# Altium PCB MCU025B.PcbDoc (part 3 of 3)
Units mm, origin at the board's own origin, x right, y up, seen from the top; angles counter-clockwise.
Board outline 60.42 x 146.24 mm, 6 copper layers (Top Signal, ISO GND, Middle Signal, PWR, SYS GND, Bottom Signal), stack 1.566 mm thick; 203 components, 176 nets, 822 pads, 366 vias.
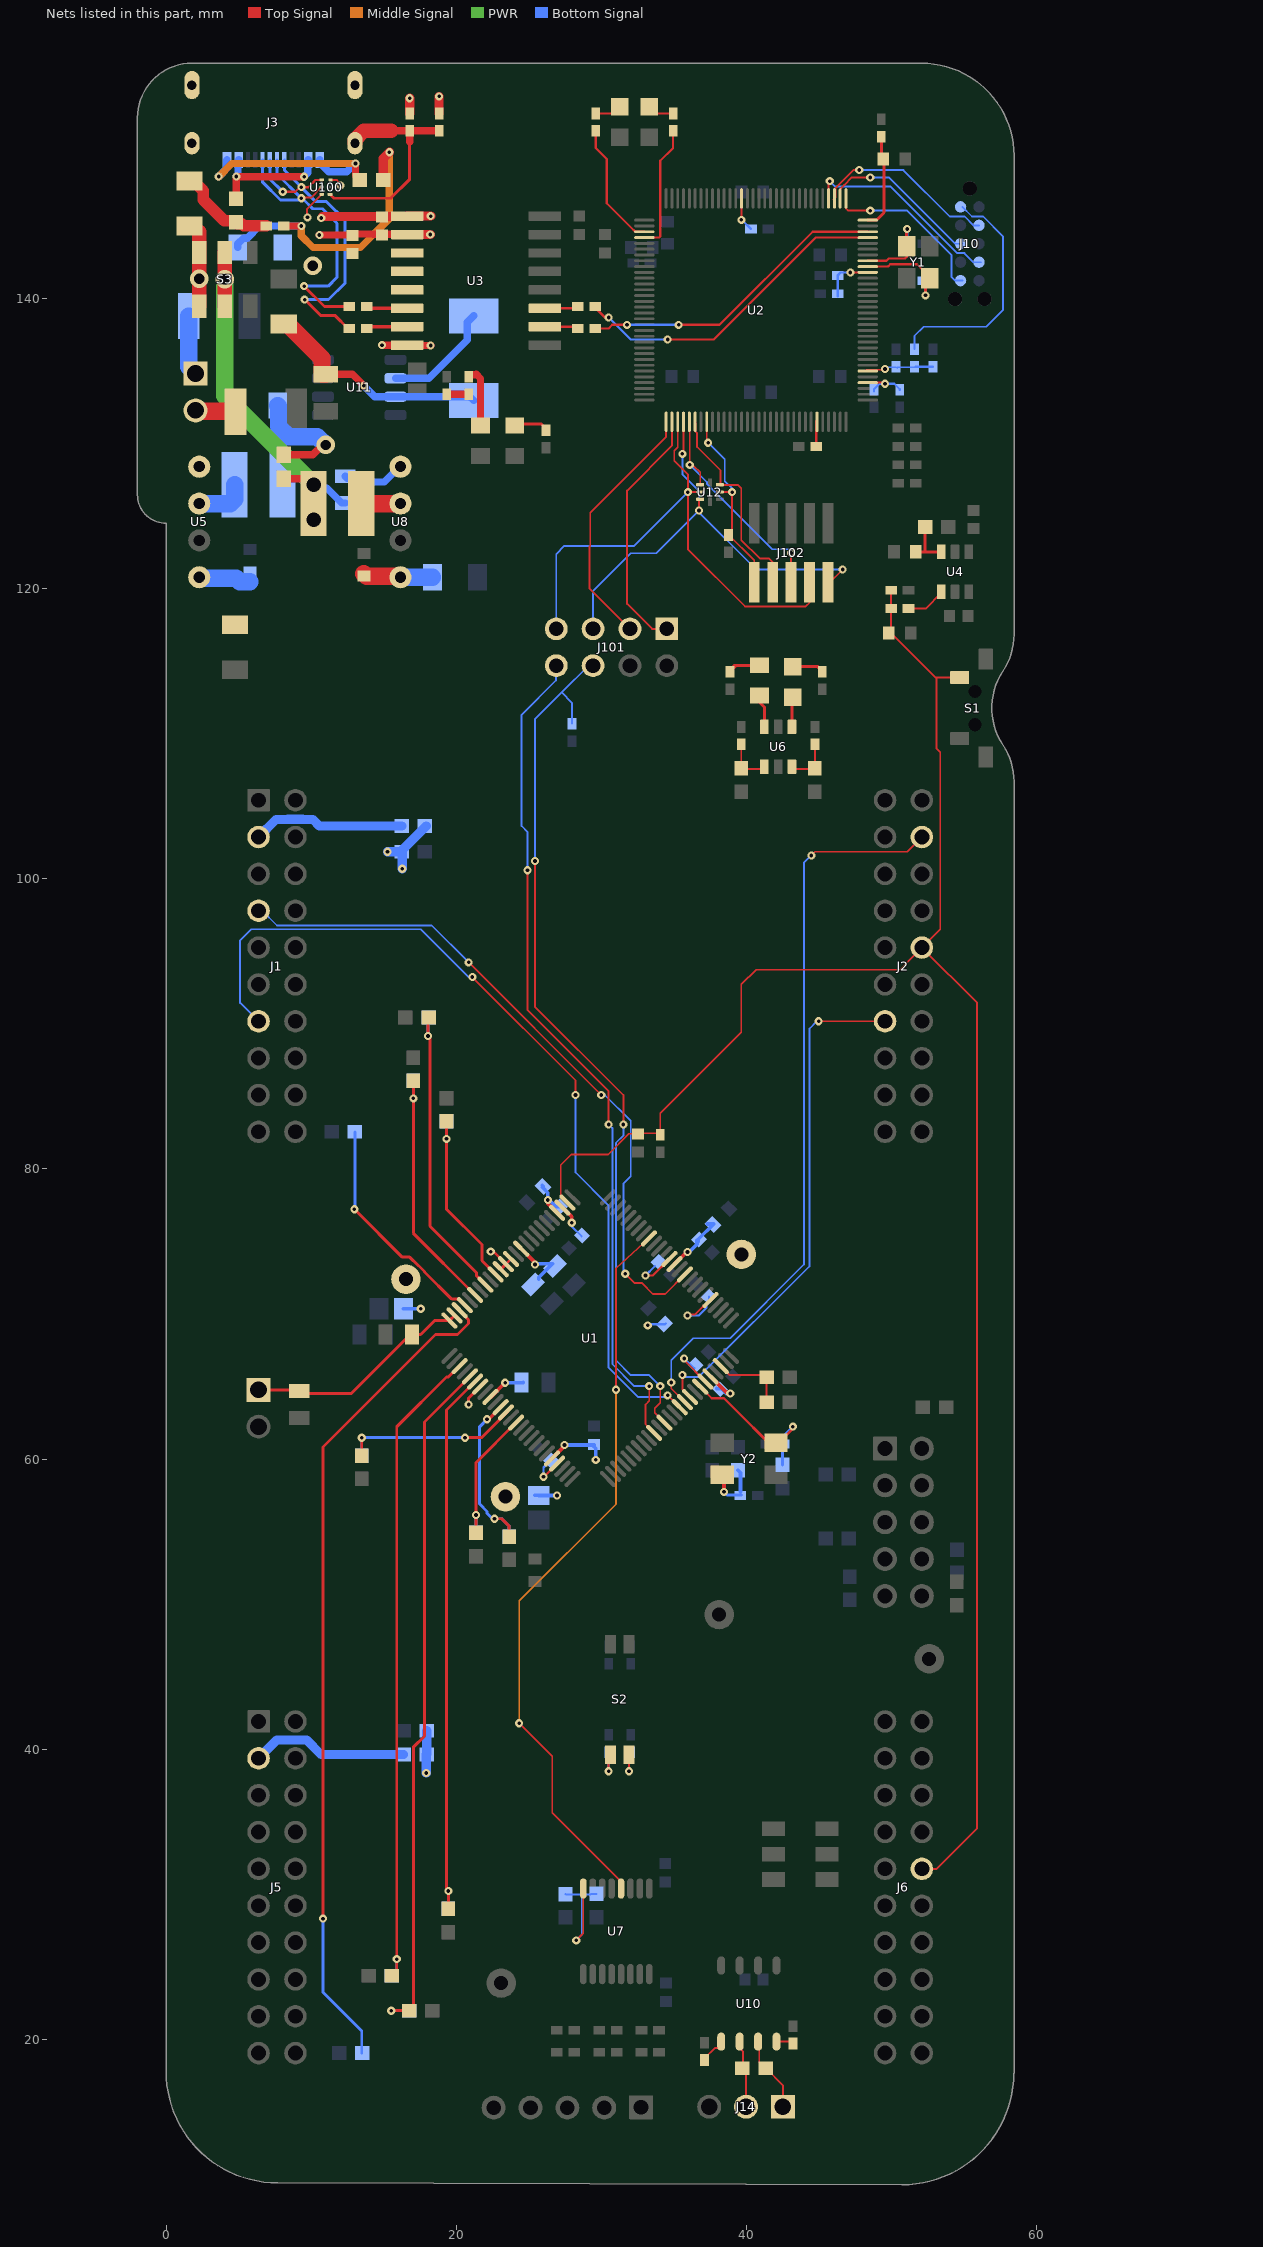
[diagram p7: the nets of this part, all layers, seen from the top]

## Via types
v1: diameter 0.559, hole 0.254, Top Signal to Bottom Signal, tented both sides, 335 vias
v2: diameter 0.559, hole 0.254, Top Signal to Bottom Signal, 17 vias
v3: diameter 1.27, hole 0.711, Top Signal to Bottom Signal, 11 vias
v4: diameter 1.651, hole 1.016, Top Signal to Bottom Signal, 3 vias

## Nets (pads, with @x,y where several pads share a name; then routed paths per layer and width w, separated by ;. In a path a pad name is that pad's centre, name@x,y a point inside that pad or via, vN(x,y) a via of type N, cw(c..) or ccw(c..) an arc to the next point about the centre after c; other vN are vias at no path point) (continued)
GPIO40: J1.4 U1.85 | length 47.8
  Top Signal w0.127: v1(20.828,94.234) v1(29.972,85.09) ; v1@31.623,72.881 v1(31.623,72.771) 32.258,72.136 32.766,72.136 33.528,71.374 34.379,71.374 U1.85@35.733,72.728
  Bottom Signal w0.127: J1.4@6.35,97.79 6.604,97.79 7.62,96.774 18.288,96.774 v1(20.828,94.234) ; v1(29.972,85.09) 30.226,85.09 32.004,83.312 32.004,79.479 31.496,78.971 31.496,72.898 v1(31.623,72.771)
GPIO56: J1.7 U1.65 | length 60.8
  Top Signal w0.127: v1(21.082,93.218) 28.194,86.106 v1(28.194,85.09) ; v1(34.544,64.389) 34.62,64.389 34.646,64.364 34.654,64.372 34.688,64.372 34.688,64.262 U1.65@35.38,63.571
  Bottom Signal w0.127: J1.7@6.35,90.17 5.08,91.44 5.08,95.758 5.842,96.52 17.526,96.52 20.828,93.218 v1(21.082,93.218) ; v1(28.194,85.09) 28.194,79.756 30.48,77.47 30.48,66.294 32.512,64.262 34.417,64.262 v1(34.544,64.389)
GPIO57: J2.19 U1.66 | length 51.7
  Top Signal w0.127: v1(34.798,65.278) 34.798,64.859 U1.66@35.733,63.924 ; v1(44.45,101.6) 44.704,101.854 51.054,101.854 J2.19@52.07,102.87
  Bottom Signal w0.127: v1(34.798,65.278) 34.798,66.802 36.322,68.326 38.862,68.326 43.942,73.406 43.942,101.092 v1(44.45,101.6)
GPIO58: J2.34 U1.67 | length 35.5
  Top Signal w0.127: v1(35.56,65.786) 35.56,64.804 U1.67@36.087,64.278 ; v1(44.958,90.17) J2.34@49.53,90.17
  Bottom Signal w0.127: v1(35.56,65.786) 35.687,65.659 36.703,65.659 44.323,73.279 44.323,89.662 44.831,90.17 v1(44.958,90.17)
GPIO59: U1.92 U7.4 | length 51.5
  Top Signal w0.127: v1(24.313,41.783) 26.589,39.507 26.589,35.613 31.333,30.869 U7.4@31.333,30.394 ; v1(30.988,64.77) 30.988,73.152 U1.92@33.258,75.203
  Middle Signal w0.127: v1(24.313,41.783) 24.313,50.221 30.988,56.896 v1(30.988,64.77)
ITCK: J10.4 U2.100 | length 14
  Top Signal w0.127: U2.100@45.64,146.892 45.64,148.002 v1(45.72,148.082)
  Bottom Signal w0.127: v1(45.72,148.082) 46.101,147.701 49.911,147.701 54.483,143.129 54.991,143.129 55.003,143.117 55.626,142.494 J10.4@56.007,142.494 J10.4@56.134,142.494
ITDI: J10.8 U2.98 | length 11.3
  Top Signal w0.127: U2.98@46.44,146.892 46.44,147.532 46.524,147.616 46.524,147.623 46.709,147.808 46.716,147.808 47.244,148.336 v1(48.514,148.336)
  Bottom Signal w0.127: v1(48.514,148.336) 49.784,148.336 54.356,143.764 J10.8@54.737,143.764 J10.8@54.864,143.764
ITDO: J10.6 U2.97 | length 11.7
  Top Signal w0.127: U2.97@46.84,146.892 46.84,146.2 46.99,146.05 v1(48.514,146.05)
  Bottom Signal w0.127: v1(48.514,146.05) 51.054,146.05 54.102,143.002 54.102,141.478 54.356,141.224 J10.6@54.737,141.224 J10.6@54.864,141.224
ITMS: J10.2 U2.99 | length 12.8
  Top Signal w0.127: U2.99@45.974,146.812 46.124,146.962 46.124,147.623 46.309,147.808 46.314,147.808 47.35,148.844 v1(47.752,148.844)
  Bottom Signal w0.127: v1(47.752,148.844) 50.8,148.844 54,145.644 55.016,145.644 55.626,145.034 J10.2@56.007,145.034
NetC3_1: C3.1 F4.1 U8.4 | length 4.8
  Top Signal w1.2: C3.1@13.605,121.029 13.795,120.839 16.067,120.839 U8.4@16.129,120.777
  Bottom Signal w1.2: U8.4@16.129,120.777 F4.1@18.338,120.777
NetC4_1: C4.1 F3.1 U5.4 | length 3.6
  Bottom Signal w1.2: U5.4@2.261,120.777 2.323,120.715 4.803,120.715 5.061,120.458 5.761,120.458
NetC8_2: C8.2 R6.1 U4.6 | length 3.4
  Top Signal w0.203: C8.2@51.652,122.533 U4.6@53.406,122.533 ; 52.286,122.581 R6.1@52.286,124.25
NetC26_2: C26.2 R14.1 U1.18 | length 21.3
  Top Signal w0.203: R14.1@18.034,90.424 v1(18.034,89.154) 18.161,89.027 18.161,76.048 21.372,72.837 21.372,72.629 U1.18@21.98,72.021
  Bottom Signal w0.203: v1(18.034,89.154) C26.2@18.034,90.424
NetC27_2: C27.2 R16.1 U1.30 | length 47.9
  Top Signal w0.203: v1(15.494,21.971) R16.1@16.688,21.971 ; R16.1@16.726,21.971 R16.1@16.726,22.009 ; R16.1@16.764,21.971 17.018,22.225 17.018,40.132 17.78,40.894 17.78,62.553 U1.30@20.919,65.692
  Bottom Signal w0.203: v1(15.494,21.971) C27.2@16.726,21.971 C27.2@16.764,21.971
NetC28_2: C28.2 R17.1 U1.20 | length 17.8
  Top Signal w0.203: R17.1@17.018,86.106 R17.1@17.018,86.068 v1(17.018,84.861) 17.018,75.568 U1.20@21.273,71.314
  Bottom Signal w0.203: v1(17.018,84.861) C28.2@17.018,86.068 C28.2@17.018,86.106
NetC29_2: C29.2 R18.1 U1.31 | length 38.5
  Top Signal w0.203: R18.1@19.431,28.956 R18.1@19.431,28.994 v1(19.431,30.226) 19.304,30.353 19.304,63.37 U1.31@21.273,65.338
  Bottom Signal w0.203: C29.2@19.431,28.994 v1(19.431,30.226)
NetC30_2: C30.2 R20.1 U1.16 | length 13.2
  Top Signal w0.203: R20.1@19.304,83.312 R20.1@19.304,83.274 v1(19.304,82.067) 19.304,77.216 21.742,74.778 21.742,73.672 U1.16@22.687,72.728
  Bottom Signal w0.203: v1(19.304,82.067) C30.2@19.304,83.274
NetC31_2: C31.2 R21.1 U1.28 | length 45.4
  Top Signal w0.203: R21.1@15.494,24.384 15.875,24.765 v1(15.875,25.527) 15.875,62.23 19.304,65.659 19.431,65.659 20.171,66.399 U1.28@20.212,66.399
  Bottom Signal w0.203: C31.2@15.532,24.384 15.494,24.422 15.875,24.803 v1(15.875,25.527)
NetC32_1: C32.1 R19.2 U1.36 | length 12.8
  Top Signal w0.203: v1(22.098,62.738) 22.208,62.738 U1.36@23.04,63.571 ; v1(22.606,55.88) 23.114,55.88 23.622,55.372 R19.2@23.622,54.648 R19.2@23.622,54.61
  Bottom Signal w0.203: v1(22.098,62.738) 21.59,62.23 21.59,56.896 22.098,56.388 22.098,56.261 22.479,55.88 v1(22.606,55.88) 23.114,55.88 23.622,55.372 C32.1@23.622,54.648
NetC33_1: C33.1 R22.2 U1.37 | length 13.5
  Top Signal w0.203: v1(13.462,61.468) 13.462,60.49 13.716,60.236 R22.2@13.716,60.198 ; v1(20.574,61.468) 21.717,61.468 U1.37@23.495,63.246
  Bottom Signal w0.203: C33.1@13.716,60.236 13.462,60.49 v1(13.462,61.468) v1(20.574,61.468)
NetC34_1: C34.1 R25.2 U1.39 | length 10
  Top Signal w0.203: R25.2@21.336,54.864 R25.2@21.336,54.902 v1(21.336,56.134) 21.336,59.745 U1.39@24.101,62.51
  Bottom Signal w0.203: C34.1@21.336,54.902 v1(21.336,56.134)
NetC35_1: C35.1 C36.1 J15.1 U1.24 U1.25 | length 15.8
  Top Signal w0.203: J15.1@6.35,64.77 8.89,64.77 9.144,64.516 12.738,64.516 16.802,68.58 17.526,68.58 18.492,69.546 U1.25@19.505,69.546 ; U1.25@19.558,69.596 19.858,69.896 U1.24@19.859,69.899
NetC38_1: C38.1 R31.1 Y2.1 | length 4.1
  Top Signal w0.254: Y2.1@38.313,58.918 38.43,58.801 v1(38.43,57.734)
  Bottom Signal w0.203: v1(38.43,57.734) 38.633,57.531 C38.1@39.624,57.531
  Bottom Signal w0.254: R31.1@39.401,59.218 39.563,59.056 C38.1@39.563,57.734
NetC50_2: C50.2 R62.2 U2.96 | length 6.6
  Top Signal w0.203: U2.96@48.34,145.392 48.937,145.392 49.45,145.905 49.45,149.571 C50.2@49.415,149.606 49.276,149.745 R62.2@49.276,151.15
NetC59_1: C59.1 C60.1 C61.1 U2.87 U2.115 | length 6
  Top Signal w0.152: v1(39.624,145.415) 39.64,145.431 U2.115@39.64,146.892 ; v1(47.142,141.783) 47.295,141.783 47.304,141.792 U2.87@48.34,141.792
  Bottom Signal w0.152: v1(39.624,145.415) 39.659,145.415 C61.1@40.294,144.78 ; C59.1@46.253,141.58 46.457,141.783 46.888,141.783 v1(47.142,141.783) ; C60.1@46.269,140.148 C60.1@46.269,140.31 46.269,141.545 C59.1@46.304,141.58
NetC62_1: C62.1 U2.89 Y1.3 | length 5.8
  Top Signal w0.152: U2.89@48.34,142.592 49.628,142.592 49.784,142.748 50.902,142.748 51.029,142.875 51.003,142.9 Y1.3@51.003,143.586
  Top Signal w0.203: Y1.3@51.016,143.594 51.016,144.742 v1(51.054,144.78)
  Bottom Signal w0.203: C62.1@50.962,143.764 51.054,143.856 v1(51.054,144.78)
NetC63_1: C63.1 U2.88 Y1.1 | length 7.2
  Top Signal w0.152: U2.88@48.34,142.192 49.73,142.192 49.886,142.347 51.734,142.347 52.654,141.427 Y1.1@52.654,141.376
  Top Signal w0.203: v1(52.324,140.208) 52.324,141.102 Y1.1@52.616,141.394
  Bottom Signal w0.203: C63.1@52.162,141.224 52.162,140.954 52.324,140.792 v1(52.324,140.208)
NetC65_2: C65.2 F7.1 L4.2 U11.3 | length 15.9
  Top Signal w0.508: C65.2@10.973,134.774 12.818,134.774 12.999,134.593 v1(13.605,133.987)
  Top Signal w1.2: F7.1@8.089,138.242 8.339,138.242 10.72,135.861 10.72,134.797 10.742,134.774 C65.2@10.973,134.774
  Bottom Signal w0.508: v1(13.605,133.987) 14.369,133.223 U11.3@15.786,133.223 20.913,133.223 L4.2@21.18,132.956
NetC66_1: C66.1 R70.1 U2.68 | length 3.5
  Top Signal w0.152: U2.68@48.34,134.192 49.45,134.192 v1(49.53,134.112)
  Bottom Signal w0.152: R70.1@48.768,133.604 48.768,133.731 49.149,134.112 v1(49.53,134.112) 50.165,134.112 50.546,133.731 C66.1@50.546,133.696
NetC100_1: C100.1 F1.1 L101.2 | length 7
  Top Signal w0.8: F1.1@1.595,148.092 1.845,148.092 2.53,147.407 2.53,146.799 3.979,145.35 4.718,145.35 4.793,145.275 4.793,145.225 4.868,145.15 5.179,145.15 5.337,144.992 C100.1@6.889,144.992
NetC100_2: C100.2 F2.2 L100.2 | length 20.9
  Top Signal w0.508: C100.2@8.089,144.992 v2(9.296,144.992)
  Top Signal w0.635: L100.2@14.937,148.163 14.937,149.638 v1(15.367,150.068)
  Middle Signal w0.508: v2@9.296,144.978 9.296,144.317 10.104,143.51 13.377,143.51 15.367,145.5 v1(15.367,150.068)
  Bottom Signal w0.508: F2.2@4.915,143.51 4.915,143.76 5.311,144.156 5.561,144.156 6.397,144.992 v2(9.296,144.992)
NetC101_1: C101.1 J3.SH1 J3.SH2 J3.SH3 J3.SH4 R100.2 U100.1 | length 15.8
  Top Signal w0.203: U100.1@11.278,147.163 11.35,147.163 11.351,147.161 11.351,147.09 11.541,146.9 15.452,146.9 16.764,148.211 16.764,150.8
  Top Signal w0.508: 15.489,151.546 C101.1@16.764,151.546 16.764,150.8 ; C101.1@16.774,151.436 16.884,151.546 R100.2@18.796,151.546
  Top Signal w1.016: J3.SH2@12.995,150.7 12.995,150.941 13.6,151.546 15.489,151.546
NetC106_1: C106.1 U3.3 U3.4 U3.5
NetF5_1: F5.1 J4.1 | length 4.2
  Bottom Signal w1.2: F5.1@1.532,138.786 1.532,135.295 J4.1@2.009,134.819
NetF6_1: F6.1 J4.2 | length 2.8
  Top Signal w1.2: J4.2@2.009,132.279 2.055,132.233 4.708,132.233 F6.1@4.754,132.186
NetJ3_A1_B12: J3.A1_B12 J3.B1_A12 L100.1 | length 15.7
  Top Signal w0.508: v2(13.025,149.3) 13.035,149.29 13.035,148.466 13.091,148.409 13.091,148.384 13.312,148.163 L100.1@13.337,148.163
  Middle Signal w0.508: v2(3.597,148.394) 4.503,149.3 v2(13.025,149.3)
  Bottom Signal w0.508: v2(3.597,148.394) 4.164,148.96 4.164,149.539 J3.A1_B12@4.175,149.55 ; J3.B1_A12@10.575,149.55 10.575,149.3 10.621,149.254 10.661,149.254 11.192,148.724 12.44,148.724 13.016,149.3 v2(13.025,149.3)
NetJ3_A4_B9: J3.A4_B9 J3.B4_A9 L101.1 | length 8.7
  Top Signal w0.508: L101.1@4.793,146.85 4.806,146.863 4.806,148.384 v2(4.815,148.394) 9.465,148.394 9.475,148.384 v2(9.489,148.384)
  Bottom Signal w0.508: v2(4.815,148.394) 4.815,148.408 4.929,148.521 4.929,149.504 J3.A4_B9@4.975,149.55 ; v2(9.489,148.384) 9.489,148.398 9.729,148.638 9.729,149.504 J3.B4_A9@9.775,149.55
NetJ10_10: J10.10 R66.1 | length 16.5
  Bottom Signal w0.127: R66.1@51.562,136.49 51.562,137.414 52.197,138.049 56.515,138.049 57.658,139.192 57.658,144.272 56.286,145.644 55.524,145.644 J10.10@54.864,146.304
NetJ14_1: J14.1 R55.2 U10.7 | length 5.2
  Top Signal w0.127: U10.7@40.78,19.838 40.78,19.374 40.863,19.29 40.863,18.411 41.275,18 41.325,18 42.49,16.835 J14.1@42.49,15.35
NetJ14_2: J14.2 R55.1 U10.6 | length 4.7
  Top Signal w0.127: U10.6@39.51,19.838 39.51,19.374 39.751,19.133 39.751,18.051 R55.1@39.7,18 39.95,17.75 J14.2@39.95,15.35
NetL1_2: L1.2 U5.2 | length 3.6
  Bottom Signal w1.2: U5.2@2.261,125.857 4.4,125.857 4.7,126.157 L1.2@4.7,127.149
NetL4_1: L4.1 U11.2 | length 7.9
  Bottom Signal w0.508: U11.2@15.786,134.493 18.095,134.493 20.729,137.127 20.729,138.347 L4.1@21.18,138.798
NetL5_2: L5.2 U8.2 | length 2.7
  Top Signal w1.2: L5.2@13.427,125.857 U8.2@16.129,125.857
NetLED1_2: LED1.2 R3.1 | length 2.5
  Top Signal w0.203: LED1.2@24.003,131.223 24.132,131.352 25.812,131.352 26.162,131.002 R3.1@26.162,130.902
NetLED2_1: LED2.1 R63.1 | length 1.8
  Top Signal w0.152: R63.1@29.591,152.746 30.826,152.746 LED2.1@31.242,153.162
NetLED3_1: LED3.1 R64.1 | length 1.8
  Top Signal w0.152: LED3.1@33.274,153.162 33.69,152.746 R64.1@34.925,152.746
NetLED4_1: LED4.1 U6.6 | length 2.4
  Top Signal w0.127: U6.6@41.148,110.363 U6.6@41.148,110.468
  Top Signal w0.203: LED4.1@40.894,112.649 40.894,112.141 41.214,111.821 U6.6@41.214,110.468
NetLED4_2: LED4.2 R29.1 | length 4.4
  Top Signal w0.203: R29.1@38.846,114.261 39.266,114.681 LED4.2@40.894,114.681 ; R29.1@38.862,114.427 39.146,114.711 LED4.2@40.878,114.711
NetLED5_1: LED5.1 R30.1 | length 2.2
  Top Signal w0.203: LED5.1@43.18,114.613 44.899,114.613 R30.1@45.212,114.3
NetLED5_2: LED5.2 U6.4 | length 2.1
  Top Signal w0.203: U6.4@43.114,110.468 43.114,112.456 LED5.2@43.18,112.522
NetLED6_2: LED6.2 R8.1 | length 4.3
  Top Signal w0.508: R8.1@20.828,134.587 20.828,134.687 20.874,134.733 21.312,134.733 21.352,134.774 21.65,134.476 LED6.2@21.65,131.223
NetR1_1: R1.1 U3.11 | length 3.1
  Top Signal w0.152: U3.11@26.086,139.319 R1.1@28.321,139.319 ; R1.1@28.321,139.319 R1.1@28.448,139.446 ; R1.1@28.321,139.319 R1.1@28.448,139.446 ; R1.1@28.321,139.319 R1.1@28.448,139.446 ; R1.1@28.321,139.319 R1.1@28.448,139.446 ; R1.1@28.321,139.319 R1.1@28.448,139.446
NetR2_1: R2.1 U3.10 | length 3.1
  Top Signal w0.152: U3.10@26.086,138.049 R2.1@28.321,138.049 ; R2.1@28.321,138.049 R2.1@28.448,137.922 ; R2.1@28.321,138.049 R2.1@28.448,137.922 ; R2.1@28.321,138.049 R2.1@28.448,137.922 ; R2.1@28.321,138.049 R2.1@28.448,137.922 ; R2.1@28.321,138.049 R2.1@28.448,137.922
NetR5_1: R5.1 U4.1 | length 2.9
  Top Signal w0.127: R5.1@51.054,118.618 R5.1@51.146,118.618 52.324,118.618 53.406,119.7 U4.1@53.406,119.783
NetR7_1: R7.1 R8.2 | length 1.5
  Top Signal w0.508: R7.1@19.317,133.387 R8.2@20.828,133.387
NetR13_2: R13.2 U1.23 | length 57.8
  Top Signal w0.203: v1(10.795,28.321) 10.795,60.833 18.542,68.58 20.066,68.58 20.828,69.342 20.828,69.596 U1.23@20.066,70.358
  Bottom Signal w0.203: v1(10.795,28.321) 10.795,23.241 13.462,20.574 R13.2@13.462,19.05
NetR15_2: R15.2 U1.22 | length 15.6
  Top Signal w0.203: v1(12.954,77.216) 16.256,73.914 16.764,73.914 17.018,73.66 17.036,73.66 17.78,72.916 17.78,72.898 19.626,71.052 19.638,71.063 19.656,71.063 19.675,71.044 20.117,71.044 20.452,70.708 U1.22@20.478,70.708
  Bottom Signal w0.203: v1(12.954,77.216) 12.992,77.254 R15.2@12.992,82.55
NetR23_1: R23.1 R26.2 U1.13 U1.14 U1.15 | length 7
  Top Signal w0.203: v1(22.352,74.295) 22.534,74.295 U1.14@23.394,73.435 ; U1.15@23.04,73.081 23.043,73.081 U1.13@23.749,73.787
  Bottom Signal w0.203: R26.2@16.174,101.809 R26.2@16.256,101.727 ; R26.2@16.218,101.854 R26.2@16.218,101.943
  Bottom Signal w0.635: v1(15.24,101.854) R26.2@16.218,101.854 ; R26.2@16.218,101.943 R23.1@17.907,103.632 ; v1(16.256,100.686) R26.2@16.256,101.727
NetR24_1: R24.1 R27.2 U1.32 | length 4.5
  Top Signal w0.203: v1(20.828,63.754) 20.828,64.187 U1.32@21.626,64.985
  Bottom Signal w0.254: R24.1@17.907,39.624 R24.1@17.945,39.662
  Bottom Signal w0.635: v1(17.907,38.354) R24.1@17.907,39.624 ; R24.1@17.945,39.662 R27.2@17.945,41.275
NetR36_1: R36.1 R38.2 U6.1 | length 3.2
  Top Signal w0.127: R36.1@39.624,109.255 R38.2@39.624,107.607 39.624,107.569 U6.1@41.148,107.569
NetR37_1: R37.1 R39.2 U6.3 | length 3.5
  Top Signal w0.127: U6.3@43.18,107.569 R39.2@44.958,107.569 ; R39.2@44.704,107.569 44.704,107.607 R37.1@44.704,109.255
NetR40_2: R40.2 S2.3 | length 2.7
  Top Signal w0.127: v1(30.48,38.481) 30.48,39.116 30.734,39.37 S2.3@30.48,39.624
  Bottom Signal w0.127: v1(30.48,38.481) R40.2@30.48,39.786
NetR41_2: R41.2 S2.4 | length 2.4
  Top Signal w0.127: v1(31.877,38.481) 31.877,39.497 S2.4@32.004,39.624
  Bottom Signal w0.127: v1(31.877,38.481) 31.877,39.497 R41.2@32.004,39.624
NetR42_2: R42.2 R43.2 U7.8 | length 9.3
  Top Signal w0.127: v1(28.245,26.822) 28.733,27.311 U7.8@28.733,30.394
  Bottom Signal w0.127: R42.2@27.5,30.01 27.526,29.984 28.626,29.984 ; v1(28.245,26.822) 28.626,27.203 28.626,29.984 ; R43.2@29.636,30.022 29.268,30.022 29.23,29.984 28.626,29.984
NetR54_1: R54.1 U10.5 | length 1.8
  Top Signal w0.127: R54.1@37.084,18.677 37.814,19.407 38.045,19.407 38.24,19.603 U10.5@38.24,19.838
NetR56_2: R56.2 U10.8 | length 1.2
  Top Signal w0.127: U10.8@42.05,19.838 43.059,19.838 R56.2@43.188,19.709
NetR63_2: R63.2 U2.3 | length 8.6
  Top Signal w0.152: R63.2@29.718,151.384 29.591,151.257 29.591,150.368 30.353,149.606 30.353,146.547 32.212,144.689 32.23,144.689 32.327,144.592 U2.3@32.94,144.592
NetR64_2: R64.2 U2.4 | length 8.9
  Top Signal w0.152: U2.4@32.94,144.192 33.956,144.192 34.036,144.272 34.036,149.479 34.925,150.368 34.925,151.511 R64.2@34.798,151.638
NetR65_1: R65.1 R66.2 R67.2 U2.70 | length 4.5
  Top Signal w0.127: U2.70@48.26,135.076 49.478,135.076 v1(49.53,135.128)
  Bottom Signal w0.127: v1(49.53,135.128) 49.657,135.255 R65.1@50.292,135.255 ; R65.1@50.373,135.209 50.419,135.255 R66.2@51.562,135.255
  Bottom Signal w0.152: R66.2@51.654,135.29 R67.2@52.832,135.29
NetR68_2: R68.2 U2.59 | length 1.8
  Top Signal w0.152: R68.2@44.796,129.794 U2.59@44.796,131.545
NetR103_2: R103.2 U3.6 | length 2.7
  Top Signal w0.254: R103.2@13.935,139.319 U3.6@16.586,139.319
NetR104_2: R104.2 U3.7 | length 2.7
  Top Signal w0.254: R104.2@13.935,138.049 U3.7@16.586,138.049
PGA135_GND: J1.2 R23.2 | length 10.6
  Bottom Signal w0.635: J1.2@6.35,102.87 7.569,104.089 8.385,104.089 9.395,104.089 10.084,104.089 10.541,103.632 R23.2@16.218,103.632
PGA246_GND: J5.2 R24.2 | length 11
  Bottom Signal w0.254: R24.2@16.345,39.624 R24.2@16.383,39.624
  Bottom Signal w0.635: J5.2@6.35,39.37 7.62,40.64 9.652,40.64 10.668,39.624 R24.2@16.345,39.624
"PW 5V": C5.1 C68.1 L1.1 L5.1 S3.2 S3.5 | length 27.7
  Top Signal w0.508: C68.1@8.089,127.57 9.739,127.57 v4(10.16,127.149)
  Top Signal w1: S3.2@4.011,139.464 v3(4.011,141.314) S3.5@4.011,143.164
  PWR w1.2: v3(4.011,141.314) 4.011,133.298 v4(10.16,127.149) v4(10.16,124.739)
  Bottom Signal w0.508: v4(10.16,127.149) 10.379,126.93 11.058,126.93 12.094,125.894 C5.1@12.319,125.894
TCK: J101.8 U1.60 | length 58.5
  Top Signal w0.127: v1(24.892,100.584) 24.892,90.932 30.48,85.344 v1(30.48,83.058) ; v1(33.274,65.024) 33.274,64.008 33.02,63.754 33.02,62.395 U1.60@33.612,61.803
  Bottom Signal w0.127: v1(24.892,100.584) 24.892,103.215 24.476,103.631 24.476,111.292 26.849,113.666 26.849,114.661 J101.8@26.869,114.681 ; v1(30.48,83.058) 30.734,82.804 30.734,66.548 32.258,65.024 v1(33.274,65.024)
TMS: J101.6 R10.1 U1.62 | length 61.5
  Top Signal w0.127: v1@25.4,101.092 25.4,91.186 31.496,85.09 v1(31.496,83.058) ; 33.655,63.473 33.655,63.174 U1.62@34.319,62.51 ; 33.655,63.5 34.036,63.881 v1(34.036,65.024)
  Bottom Signal w0.127: v1(25.4,101.219) 25.4,110.989 27.246,112.835 ; R10.1@27.95,110.675 27.95,112.131 27.246,112.835 ; J101.6@29.409,114.681 29.092,114.681 27.246,112.835 ; v1(31.496,83.058) 31.496,82.296 30.988,81.788 30.988,66.802 32.004,65.786 33.274,65.786 v1(34.036,65.024)
USB_DM: J3.A7 J3.B7 R103.1 U100.5 | length 22.6
  Top Signal w0.127: v2(9.295,146.9) 9.34,146.945 9.985,146.945 10.617,147.576 10.617,147.626 10.653,147.663 U100.5@10.703,147.663
  Top Signal w0.203: v1(9.489,140.843) 10.886,139.446 R103.1@12.573,139.446
  Bottom Signal w0.203: J3.B7@6.625,149.55 6.636,149.539 6.636,148.005 7.865,146.775 v2@9.295,146.775 ; J3.A7@7.625,149.55 7.625,148.57 v2(9.295,146.9) ; v1(9.489,140.843) 11.145,140.843 11.756,141.454 11.756,145.172 10.751,146.177 10.087,146.177 v2@9.489,146.775
USB_DP: J3.A6 J3.B6 R104.1 U100.4 | length 23.4
  Top Signal w0.15: v2(8.014,147.345) 8.883,147.345 9.2,147.663 9.771,147.663 10.271,148.163 U100.4@10.703,148.163
  Top Signal w0.203: v1(9.527,139.915) 10.611,138.831 11.599,138.831 12.508,137.922 R104.1@12.608,137.922
  Bottom Signal w0.203: J3.A6@7.125,149.55 7.125,148.234 v2(8.014,147.345) ; J3.B6@8.125,149.55 8.13,149.545 8.13,148.83 10.293,146.667 11.035,146.667 12.319,145.383 12.319,141.068 11.166,139.915 v1(9.527,139.915)
  other v2: 9.296,147.663
USB_GND: C5.2 C68.2 C101.2 C105.2 C106.2 F2.1 F8.1 R100.1 U3.2 U3.8 U5.1 U8.1 U100.3 | length 27
  Top Signal w0.127: U100.3@11.303,148.163 11.726,148.163 11.816,148.073 11.816,147.96 v2(11.989,147.788)
  Top Signal w0.508: C68.2@8.089,129.224 10.095,129.224 10.767,129.896 v3(10.973,129.896) ; v2(10.541,144.364) 12.954,144.364 12.954,144.388 13,144.434 14.224,144.434 14.242,144.417 16.568,144.417 U3.2@16.586,144.399 ; v1(14.859,136.779) U3.8@16.586,136.779 16.611,136.754 v1(18.212,136.754)
  Top Signal w0.635: U3.2@16.586,144.399 v1(18.186,144.399) ; C101.2@16.764,152.746 v1(16.764,153.797) ; R100.1@18.796,152.746 v1(18.796,153.924)
  Bottom Signal w0.508: C5.2@12.319,127.744 12.463,127.6 13.781,127.6 14.035,127.346 15.025,127.346 16.076,128.397 U8.1@16.129,128.397
  Bottom Signal w1.2: F8.1@7.671,132.613 7.721,132.563 7.721,131.166 8.424,130.463 10.406,130.463 v3(10.973,129.896)
  other v3: 10.087,142.24
USB_VBUS: C105.1 F1.2 S3.1 S3.4 U3.1 U100.6 | length 15.6
  Top Signal w0.127: v1(9.723,145.583) 9.681,145.625 9.681,146.141 10.617,147.077 10.617,147.127 10.653,147.163 U100.6@10.703,147.163
  Top Signal w0.508: v1(10.668,145.542) 10.68,145.542 v1@10.772,145.634
  Top Signal w0.635: v1@10.772,145.634 16.551,145.634 U3.1@16.586,145.669 v1(18.212,145.669)
  Top Signal w1: F1.2@1.595,144.992 1.845,144.992 2.261,144.577 v3(2.261,141.342) S3.1@2.261,139.464
VDD: C9.2 C10.2 C11.2 C12.2 C13.2 C14.2 TP1.1 U1.4 U1.46 U1.71 U1.87 | length 15.1
  Top Signal w0.254: v1(26.289,77.851) 26.289,77.611 U1.4@26.93,76.97 ; U1.46@26.576,60.035 v1@27.501,60.96 ; U1.87@35.026,73.435 35.861,74.27 v1(35.916,74.27) ; U1.71@37.501,65.692 38.677,64.516 v1(38.862,64.516)
  Bottom Signal w0.254: C10.2@25.908,78.74 C10.2@25.966,78.682 ; C10.2@25.908,78.867 C10.2@25.971,78.803 ; C10.2@25.966,78.798 C10.2@25.966,78.682 ; C14.2@27.113,77.405 26.829,77.406 26.442,77.793 26.347,77.793 v1(26.289,77.851) 26.289,78.359 C10.2@25.966,78.682 ; v1(27.432,60.96) C13.2@29.464,60.96 ; C13.2@29.464,60.868 29.591,60.741 v1(29.591,59.944) ; v1(35.916,74.27) 36.043,74.27 36.576,74.803 C11.2@36.576,75.057 ; C11.2@36.66,74.973 36.66,75.141 37.719,76.2 C9.2@37.287,76.2 ; C12.2@37.93,64.854 38.27,64.854 38.608,64.516 v1(38.862,64.516)
VDDA: C16.1 C17.1 C18.1 L2.2 TP3.1 U1.11 U1.34 | length 8.1
  Top Signal w0.254: U1.34@22.333,64.278 22.368,64.278 v1(23.343,65.253) ; U1.11@24.455,74.496 25.4,73.55 v1(25.4,73.406) ; v1(23.343,65.253) 23.322,65.273 v1(23.343,65.253)
  Bottom Signal w0.254: L2.2@16.344,70.358 v1(17.526,70.358) ; v1(23.343,65.253) 24.575,65.253 24.595,65.273 C16.1@24.6,65.278 ; v1@25.342,73.464 26.612,73.464 25.654,72.505 C18.1@25.654,72.39
VDDIO: C20.1 C21.1 C22.1 C23.1 C24.1 C25.1 L3.2 TP2.1 U1.3 U1.47 U1.70 U1.80 U1.88 | length 18.3
  Top Signal w0.152: v1(25.984,58.776) 26.024,58.776 U1.47@26.93,59.682 ; v1(33.02,72.644) 33.528,72.644 U1.88@34.672,73.788 ; v1(35.687,66.929) 35.687,66.802 36.449,66.04 ; v1(35.916,69.896) 35.971,69.952 36.424,69.952 36.997,70.525 37.066,70.525 U1.80@37.501,70.96 ; 36.447,66.038 U1.70@37.147,65.338
  Top Signal w0.254: U1.3@27.432,77.216 27.94,76.708 v1(27.94,76.287)
  Bottom Signal w0.152: v1(25.984,58.776) 25.984,59.411 C22.1@26.34,59.766 ; v1@27.94,76.327 v1(27.94,76.287) 27.94,76.033 C21.1@28.618,75.354 ; v1(33.02,72.644) C24.1@33.655,73.279 ; v1(33.172,69.215) v1@33.198,69.215 ; v1@33.198,69.24 33.242,69.284 C20.1@34.348,69.284 ; C20.1@34.354,69.279 C20.1@34.417,69.342 ; v1(35.687,66.929) 36.365,66.251 C23.1@36.406,66.251 ; v1(35.916,69.896) 36.699,69.896 37.228,70.426 37.228,70.616 37.4,70.789 C25.1@37.4,71.185
  Bottom Signal w0.254: L3.2@25.4,57.492 L3.2@25.679,57.492 ; L3.2@25.679,57.48 v1(26.924,57.48)
VREGENZ: R11.1 R12.1 U1.73 | length 5.2
  Top Signal w0.127: U1.73@38.208,66.399 38.821,65.786 41.148,65.786 R11.1@41.364,65.57 ; R12.1@41.351,63.932 41.364,63.945 R11.1@41.364,65.57 ; R11.1@41.364,65.634 R11.1@41.364,65.57
X1: C39.1 R35.1 U1.69 Y2.3 | length 11.4
  Top Signal w0.152: U1.69@36.794,64.985 37.592,64.187 38.429,64.187 40.468,62.148
  Top Signal w0.203: 40.468,62.148 41.498,61.118 Y2.3@41.928,61.118 ; Y2.3@42.013,61.118 42.188,61.118 43.112,62.043 43.112,62.162 v1(43.18,62.23)
  Bottom Signal w0.203: R35.1@42.467,59.592 42.467,60.96 C39.1@42.541,61.034 42.541,61.591 v1(43.18,62.23)
XDS_DM: R1.2 U2.93 | length 22.9
  Top Signal w0.152: v1(30.48,138.684) 30.226,138.684 R1.2@29.464,139.446 ; v1(34.544,137.16) 37.719,137.16 44.751,144.192 U2.93@48.34,144.192 ; R1.2@29.464,139.446 29.51,139.4 R1.2@29.464,139.446
  Bottom Signal w0.152: v1(30.48,138.684) 32.004,137.16 v1(34.544,137.16)
XDS_DP: R2.2 U2.94 | length 21.6
  Top Signal w0.152: R2.2@29.464,137.922 R2.2@29.556,137.922 30.48,137.922 30.734,138.176 v1(31.75,138.176) ; v1(35.306,138.176) 38.125,138.176 44.541,144.592 U2.94@48.34,144.592
  Bottom Signal w0.152: v1(31.75,138.176) v1(35.306,138.176)
XDS_RESET_OUT: J102.10 R57.1 U2.40 U12.2 | length 13.4
  Top Signal w0.127: U2.40@37.24,131.492 37.24,130.146 v1(37.338,130.048) ; U12.2@38.14,126.645 v1(38.989,126.645) 38.989,123.978 38.735,123.724 40.513,121.946 J102.10@40.513,120.803 ; J102.10@40.478,120.768 J102.10@40.513,120.803 ; J102.10@40.513,120.549 J102.10@40.513,120.803
  Bottom Signal w0.127: v1(37.338,130.048) 38.481,128.905 38.481,127.407 38.989,126.899 v1(38.989,126.645)
XDS_RXD: J101.3 U2.33 | length 17.6
  Top Signal w0.127: J101.3@31.949,117.221 29.155,120.015 29.155,122.907 29.21,122.962 29.21,125.222 34.44,130.452 U2.33@34.44,131.492
XDS_TCK_SWDCLK: J101.7 J102.4 U2.35 U12.6 | length 37.8
  Top Signal w0.127: U2.35@35.24,131.492 35.24,129.728 35.001,129.489 35.001,128.803 35.941,127.864 v1(35.941,126.645) ; U12.6@36.957,126.645 U12.6@36.79,126.645 v1(35.941,126.645) ; J102.4@44.323,120.422 J102.4@44.323,120.419 44.323,119.025 44.069,118.771 39.878,118.771 35.941,122.708 v1(35.941,126.645)
  Bottom Signal w0.127: J101.7@26.869,117.221 26.869,122.373 27.432,122.936 32.232,122.936 v1(35.941,126.645)
XDS_TDI: J102.8 U2.38 U12.3 | length 14.5
  Top Signal w0.127: U2.38@36.475,131.419 36.475,130.81 36.576,130.709 36.576,129.756 38.189,128.143 38.189,127.194 U12.3@38.14,127.145 39.378,127.145 39.624,126.899 39.624,123.343 40.894,122.073 41.529,122.073 41.783,121.819 J102.8@41.783,120.419 J102.8@41.783,120.295
XDS_TDO_SWO: J102.6 U2.37 U12.5 | length 16.5
  Top Signal w0.127: U2.37@36.068,131.572 v1(36.068,128.524) 36.151,128.441 36.35,128.441 36.79,128.002 U12.5@36.79,127.145 ; J102.6@43.053,120.422 v1(43.053,122.454)
  Bottom Signal w0.127: v1(36.068,128.524) 37.249,127.343 37.249,127.216 41.758,122.708 42.926,122.708 43.053,122.581 v1(43.053,122.454)
XDS_TMS_SWDIO: J101.5 J102.2 U2.36 U12.7 | length 32.7
  Top Signal w0.127: v1(35.56,129.286) 35.64,129.366 U2.36@35.64,131.492 ; v1(36.703,125.375) U12.7@36.703,126.137 ; U12.7@36.79,126.137 U12.7@36.79,126.145 ; J102.2@45.593,120.295 v1(46.609,121.311)
  Bottom Signal w0.127: J101.5@29.409,117.221 29.409,119.836 32.001,122.428 33.756,122.428 v1(36.703,125.375) ; v1(35.56,129.286) 35.56,127.88 36.703,126.737 v1(36.703,125.375) ; v1(46.609,121.311) 40.64,121.311 36.703,125.248 v1(36.703,125.375)
XDS_TXD: J101.1 U2.34 | length 17.3
  Top Signal w0.127: J101.1@34.489,117.221 33.473,117.221 31.75,118.944 31.75,126.746 34.84,129.836 U2.34@34.84,131.492
XRSn: C7.2 C37.1 J2.16 J6.16 R4.1 R5.2 R32.1 S1.4 U1.2 | length 132.1
  Top Signal w0.127: U1.2@27.637,77.677 27.178,78.136 27.178,80.264 27.902,80.988 30.442,80.988 31.869,82.415 C37.1@32.512,82.415 32.547,82.45 R32.1@34.036,82.45 ; R32.1@34.036,82.35 R32.1@34.036,82.45 ; C7.2@49.796,116.932 49.946,117.082 R5.2@49.946,118.618 ; C7.2@49.946,116.932 53.018,113.86 S1.4@54.672,113.86 ; R5.2@49.946,118.71 R4.1@49.946,119.888 ; J6.16@52.07,31.75 53.086,31.75 55.88,34.544 55.88,91.44 J2.16@52.07,95.25 ; 53.086,113.792 53.086,108.966 53.34,108.712 53.34,96.52 J2.16@52.07,95.25 ; R32.1@34.036,82.45 34.036,83.82 39.624,89.408 39.624,92.71 40.64,93.726 50.546,93.726 J2.16@52.07,95.25
pads on no net: J1.5 J1.9 J1.10 J2.11 J2.17 J2.18 J3.A5 J3.A8 J3.B5 J3.B8 J5.3 J5.4 J5.9 J5.10 J6.17 J6.18 J10.7 J10.MH1 J10.MH2 J10.MH3 J11.9 J102.7 M1.0 M2.0 M3.0 M4.0 M5.0 M6.0 M9.0 S1. U1.43 U1.48 U1.49 U2.1 U2.2 U2.5 U2.6 U2.11 U2.12 U2.13 U2.14 U2.15 U2.18 U2.19 U2.20 U2.21 U2.22 U2.23 U2.24 U2.25 U2.27 U2.29 U2.30 U2.31 U2.32 U2.41 U2.42 U2.43 U2.44 U2.45 U2.46 U2.49 U2.50 U2.53 U2.54 U2.56 U2.57 U2.65 U2.67 U2.71 U2.72 U2.73 U2.74 U2.75 U2.76 U2.77 U2.78 U2.81 U2.82 U2.83 U2.84 U2.85 U2.86 U2.91 U2.92 U2.95 U2.102 U2.103 U2.104 U2.105 U2.106 U2.107 U2.108 U2.109 U2.110 U2.111 U2.112 U2.116 U2.117 U2.118 U2.119 U2.120 U2.121 U2.123 U2.124 U2.125 U2.126 U2.127 U2.128 U7.5 U7.6 U7.7 U7.10 U7.11 U7.12 U12.1 U100.2

## Polygon pours and split planes (outlines as drawn)
USB_GND on ISO GND "ISO_GND_USB_GND_P031" (solid, remove dead copper, pour order 31): -2,125.5 -1.527,125.027 18.398,125.027 20.828,127.457 20.828,155.563 15.805,155.563 15.805,148.336 -2,148.336
NetC101_1 on ISO GND "ISO_GND_NETC101_1_P032" (solid, remove dead copper, pour order 32): 15.367,155.738 15.191,155.563 -2,155.563 -2,148.717 15.367,148.717
GND on ISO GND "ISO_GND_GND_P018" (solid, remove dead copper, pour order 18): 21.971,156.21 58.42,156.21 58.42,10.099 0,10.099 0,124.028 18.864,124.028 21.971,127.135
NetR23_1 on ISO GND "ISO_GND_NETR23_1_P017" (solid, remove dead copper, pour order 17): 14.224,83.82 15.24,82.804 15.24,76.962 21.844,70.358 24.638,73.152 24.638,73.66 20.574,77.724 20.574,91.694 19.304,92.964 19.304,103.886 18.796,104.394 14.732,104.394 14.224,103.886 14.224,92.964 12.7,91.44 8.128,91.44 7.62,90.932 7.62,84.582 8.382,83.82
NetR24_1 on ISO GND "ISO_GND_NETR24_1_P016" (solid, remove dead copper, pour order 16): 14.732,33.528 14.732,28.448 14.224,27.94 8.128,27.94 7.62,27.432 7.62,26.162 7.62,20.997 8.201,20.32 17.78,20.32 20.32,22.86 20.32,27.94 20.32,62.23 22.86,64.77 22.86,65.024 20.828,67.056 19.812,67.056 15.05,62.293 14.732,61.976 14.732,45.212
+3V3 on PWR "PWR_+3V3_P022" (solid, remove dead copper, pour order 22): 58.42,156.21 21.971,156.21 21.971,126.671 18.209,122.909 0,122.909 0,10.099 58.42,10.099
USB_VBUS on PWR "PWR_USB_VBUS_P002" (solid, remove dead copper, pour order 2): -2,156.21 20.701,156.21 20.701,127.414 18.387,125.1 -2,125.1
VDDA on PWR "PWR_VDDA_P014" (solid, remove dead copper, pour order 14): 24.834,78.402 24.751,78.486 22.077,78.508 15.748,72.39 15.748,67.818 24.765,58.801 26.924,60.96 26.924,68.326 28.702,70.104 28.702,73.66 27.432,74.93 27.432,75.692 26.67,76.708
VDD on PWR "PWR_VDD_P012" (solid, remove dead copper, pour order 12): 39.497,65.659 39.497,64.516 38.862,63.881 37.719,63.881 32.258,58.42 29.464,58.42 28.23,59.478 28.194,59.514 28.194,60.452 29.718,61.976 29.718,62.738 32.004,65.024 35.56,65.024 37.338,66.802 37.338,70.358 30.226,77.47 28.956,77.47 27.432,75.946 25.146,78.232 25.146,78.74 26.416,80.01 34.036,80.01 40.132,73.914 40.132,66.294
VDDIO on PWR "PWR_VDDIO_P010" (solid, remove dead copper, pour order 10): 22.098,56.642 22.606,56.134 27.178,56.134 28.702,57.658 28.702,60.96 29.972,61.976 29.972,62.738 32.004,64.77 35.56,64.77 37.592,66.802 37.592,70.358 30.226,77.724 28.956,77.724 27.178,75.946 27.178,74.676 28.194,73.66 28.194,69.85 27.94,69.85 26.67,68.58 26.67,61.214 24.13,58.674 22.352,58.674 22.098,58.42
NetC59_1 on PWR "PWR_NETC59_1_P021" (solid, remove dead copper, pour order 21): 46.736,142.621 42.291,147.066 41.783,147.574 39.624,147.574 39.37,147.574 38.354,146.558 38.354,145.288 43.688,139.954 47.752,139.954 48.514,140.716 48.514,142.113 48.006,142.621
+5V0 on Top Signal "TOP_SIGNAL_+5V0_P038" (solid, pour order 38): 3.701,115.128 6.346,115.128 6.96,114.515 6.96,110.887 6.344,110.271 3.701,110.271 3.113,110.86 3.113,114.681
NetC4_1 on Top Signal "TOP_SIGNAL_NETC4_1_P036" (solid, remove dead copper, pour order 36): 1.71,121.908 7.239,121.908 7.239,117.5 6.198,116.459 3.688,116.459 1,118.644 1,121.062
NetC106_1 on Top Signal "TOP_SIGNAL_NETC106_1_P030" (solid, remove dead copper, pour order 30): 18.542,143.764 18.542,139.827 12.319,139.827 11.684,140.462 11.684,143.764
"PW 5V" on Bottom Signal "BOTTOM_SIGNAL_PW_5V_P039" (solid, pour order 39): 7.078,129.3 7.103,129.325 9.95,129.325 11.145,128.13 11.145,123.545 9.225,123.545 7.795,124.975 7.1,124.975
+5V0 on Bottom Signal "BOTTOM_SIGNAL_+5V0_P020" (solid, remove dead copper, pour order 20): 21.971,156.21 21.971,127.432 17.877,123.337 0,123.337 0,10.099 39.37,10.099 39.37,21.59 33.884,26.162 13.208,26.162 10.16,29.21 10.16,115.122 12.589,117.551 17.715,117.551 25.4,125.237 25.4,149.86 27.94,152.4 50.8,152.4 52.07,153.67 52.07,156.21
+12V_GLV on Bottom Signal "BOTTOM_SIGNAL_+12V_GLV_P037" (solid, pour order 37): 4.821,140.398 8.016,140.398 10.239,138.176 12.847,138.176 13.78,137.243 14.892,136.131 14.906,136.144 16.508,136.144 16.508,135.37 13.728,135.37 12.319,136.779 7.061,136.779 6.655,137.185 4.786,137.185
"GLV GND" on Bottom Signal "BOTTOM_SIGNAL_GLV_GND_P035" (solid, remove dead copper, pour order 35): 3.597,136.271 9.723,136.271 11.607,136.271 12.002,135.877 12.002,133.549 13.242,132.309 16.543,132.309 16.543,131.445 3.597,131.445
USB_GND on Bottom Signal "BOTTOM_SIGNAL_USB_GND_P034" (solid, remove dead copper, pour order 34): 7.314,144.399 7.339,144.424 8.982,144.424 10.913,142.494 10.913,141.342 9.296,141.342 8.144,142.494 7.314,142.494
+3V3 on Bottom Signal "BOTTOM_SIGNAL_+3V3_P033" (solid, remove dead copper, pour order 33): 20.815,122.969 21.852,124.005 24.476,124.005 24.476,120.132 23.216,118.872 23.19,118.897 20.777,118.897
GND on SYS GND "SYS_GND_GND_P029" (solid, remove dead copper, pour order 29): 21.971,156.464 21.971,127.381 18.618,124.028 -0.508,124.028 -0.508,10.099 58.928,10.099 58.928,156.464

## Other copper
ISO GND:
  text ".Layer_Name" at 14.732,-21.844 h1.52
SYS GND:
  text ".Layer_Name" at 14.732,-21.844 h1.52

## Silkscreen, mask and mechanical layers (free items; w line width, h text height)
Top Overlay:
  drawing of 841 lines, arcs and shapes, not listed
  text "12V" at 0.246,134.75 h1.2 r90
  text "GND" at 0.246,130.151 h1.2 r90
  text "XDS110 Out" at 39.64,127.295 h0.76
  text "TMS" at 28.829,113.061 h0.76 r270
  text "TXD<<" at 31.496,113.061 h0.76 r270
  text "TCK" at 26.162,112.903 h0.76 r270
  text "RXD>>" at 34.112,112.903 h0.76 r270
  text "XRSn" at 50.292,110.871 h1.85
  text "UART / SELECT" at 32.741,105.664 h0.76
  text "40" at 46.482,104.902 h0.76
  text "39" at 46.482,102.489 h0.76
  text "2" at 3.81,102.362 h0.76
  text "19" at 53.848,102.362 h0.76
  text "38" at 46.482,99.949 h0.76
  text "3" at 3.81,99.822 h0.76
  text "23" at 10.668,99.822 h0.76
  text "18" at 53.848,99.822 h0.76
  text "4" at 3.81,97.282 h0.76
  text "24" at 10.668,97.282 h0.76
  text "37" at 46.482,97.282 h0.76
  text "17" at 53.848,97.282 h0.76
  text "5" at 3.81,94.742 h0.76
  text "25" at 10.668,94.742 h0.76
  text "36" at 46.482,94.742 h0.76
  text "16" at 53.848,94.742 h0.76
  text "6" at 3.81,92.202 h0.76
  text "26" at 10.668,92.202 h0.76
  text "35" at 46.482,92.202 h0.76
  text "15" at 53.848,92.202 h0.76
  text "7" at 3.81,89.662 h0.76
  text "27" at 10.668,89.662 h0.76
  text "34" at 46.482,89.662 h0.76
  text "14" at 53.848,89.662 h0.76
  text "8" at 3.81,87.122 h0.76
  text "28" at 10.668,87.122 h0.76
  text "33" at 46.482,87.122 h0.76
  text "13" at 53.848,87.122 h0.76
  text "INVERTER CONTROL BOARD V1 / M.NGUYEN" at 31.75,85.598 h1 r90
  text "9" at 3.81,84.582 h0.76
  text "29" at 10.668,84.582 h0.76
  text "32" at 46.482,84.582 h0.76
  text "12" at 53.848,84.582 h0.76
  text "30" at 10.668,82.296 h0.76
  text "10" at 3.302,82.042 h0.76
  text "31" at 46.482,82.042 h0.76
  text "11" at 53.848,82.042 h0.76
  text "VDD" at 41.148,73.66 h0.76
  text "VDDA" at 12.192,72.136 h0.76
  text "VREFHI" at 0.508,64.262 h0.76
  text "FSI" at 48.641,61.087 h0.76
  text "RXCLK" at 43.942,59.995 h0.76
  text "TXCLK" at 53.4,59.959 h0.76
  text "VDDIO" at 18.288,56.896 h0.76
  text "TXD0" at 53.741,55.118 h0.76
  text "RXD0" at 43.7,54.495 h0.76
  text "TXD1" at 53.5,52.4 h0.76
  text "RXD1" at 45.014,52.291 h0.76
  text "+3V3" at 39.624,48.768 h0.76
  text "24" at 28.448,47.625 h0.76
  text "32" at 32.766,47.625 h0.76
  text "+3V3 / TO / J5" at 1.524,46.228 h0.76
  text "GND" at 54.229,45.847 h0.76
  text "1" at 33.909,45.72 h0.76
  text "ALT" at 20.32,44.958 h0.76
  text "BOOT" at 33.782,43.18 h0.76
  text "80" at 46.482,41.529 h0.76
  text "BP" at 20.828,41.402 h0.76
  text "0" at 33.909,40.513 h0.76
  text "42" at 3.302,38.862 h0.76
  text "79" at 46.482,38.862 h0.76
  text "59" at 53.848,38.862 h0.76
  text "43" at 3.302,36.322 h0.76
  text "63" at 10.668,36.322 h0.76
  text "78" at 46.482,36.322 h0.76
  text "58" at 53.848,36.322 h0.76
  text "ALT" at 39.786,35.56 h0.76 r270
  text "44" at 3.302,33.782 h0.76
  text "64" at 10.668,33.782 h0.76
  text "77" at 46.482,33.782 h0.76
  text "57" at 53.848,33.782 h0.76
  text "BP" at 39.878,31.369 h0.76 r270
  text "45" at 3.302,31.242 h0.76
  text "65" at 10.668,31.242 h0.76
  text "76" at 46.482,31.242 h0.76
  text "56" at 53.848,31.242 h0.76
  text "46" at 3.302,28.702 h0.76
  text "66" at 10.668,28.702 h0.76
  text "75" at 46.736,28.702 h0.76
  text "55" at 53.848,28.702 h0.76
  text "CAN / ROUTE" at 41.91,27.178 h0.76
  text "47" at 3.302,26.162 h0.76
  text "67" at 10.668,26.162 h0.76
  text "74" at 46.736,26.162 h0.76
  text "54" at 53.848,26.162 h0.76
  text "48" at 3.302,23.622 h0.76
  text "68" at 10.668,23.622 h0.76
  text "73" at 46.482,23.622 h0.76
  text "53" at 53.848,23.622 h0.76
  text "49" at 3.302,21.082 h0.76
  text "69" at 10.668,21.082 h0.76
  text "72" at 46.482,21.082 h0.76
  text "52" at 53.848,21.082 h0.76
  text "50" at 3.302,18.542 h0.76
  text "70" at 10.668,18.542 h0.76
  text "71" at 46.736,18.542 h0.76
  text "51" at 53.848,18.542 h0.76
  text "EQEP1" at 21.5,17.012 h0.76
  text "CAN" at 44.593,15 h0.76
  text "GND" at 22.009,13.572 h0.76 r270
  text "1I" at 27.089,13.572 h0.76 r270
  text "1B" at 29.629,13.572 h0.76 r270
  text "1A" at 32.169,13.572 h0.76 r270
  text "GND" at 37.402,13.572 h0.76 r270
  text "CANL" at 39.942,13.572 h0.76 r270
  text "CANH" at 42.482,13.572 h0.76 r270
  text "+5V0" at 24.593,13.5 h0.76 r270
Bottom Overlay:
  drawing of 18 lines, arcs and shapes, not listed
  text "1" at 6.604,107.188 h0.76
  text "21" at 9.398,107.188 h0.76
  text "J3" at 11.938,107.188 h1.02
  text "J4" at 48.26,107.188 h1.02
  text "40" at 50.292,107.188 h0.76
  text "20" at 52.832,107.188 h0.76
  text "P10" at 47.752,104.902 h0.76
  text "P11" at 47.752,102.489 h0.76
  text "PGAGND" at 4.572,102.362 h0.76
  text "P57" at 55.88,102.362 h0.76
  text "INVERTER CONTROL BOARD V1 / M.NGUYEN" at 37.127,100.676 h1 r90
  text "P08" at 47.752,99.949 h0.76
  text "NC" at 55.245,99.949 h0.76
  text "P13" at 4.572,99.822 h0.76
  text "AA5" at 12.7,99.822 h0.76
  text "P40" at 4.572,97.282 h0.76
  text "AB0" at 12.7,97.282 h0.76
  text "P09" at 47.752,97.282 h0.76
  text "NC" at 55.118,97.282 h0.76
  text "NC" at 4.572,94.742 h0.76
  text "AC2" at 12.7,94.742 h0.76
  text "P04" at 47.752,94.742 h0.76
  text "XRSn" at 56.642,94.742 h0.76
  text "AB3" at 4.572,92.202 h0.76
  text "AB1" at 12.7,92.202 h0.76
  text "P05" at 47.752,92.202 h0.76
  text "P16" at 55.88,92.202 h0.76
  text "AB2/G1I" at 14.478,89.916 h0.64
  text "P56" at 4.572,89.662 h0.76
  text "P58" at 47.752,89.662 h0.76
  text "P17" at 55.88,89.662 h0.76
  text "AC0/G3I" at 14.605,87.249 h0.64
  text "AC4" at 4.572,87.122 h0.76
  text "P30" at 47.752,87.122 h0.76
  text "P39" at 55.88,87.122 h0.76
  text "AA9/G5I" at 14.605,84.836 h0.64
  text "P37" at 4.572,84.582 h0.76
  text "P18" at 47.752,84.582 h0.76
  text "P23" at 55.88,84.582 h0.76
  text "P35" at 4.572,82.042 h0.76
  text "P25" at 47.752,82.042 h0.76
  text "P59" at 55.88,82.042 h0.76
  text "AA1/DACB" at 16.256,80.772 h0.76
  text "10" at 6.858,80.01 h0.76
  text "30" at 9.652,80.01 h0.76
  text "31" at 50.038,80.01 h0.76
  text "11" at 52.578,80.01 h0.76
  text "41" at 7.112,43.688 h0.76
  text "61" at 9.398,43.688 h0.76
  text "J7" at 11.938,43.688 h1.02
  text "J8" at 48.26,43.688 h1.02
  text "80" at 50.038,43.688 h0.76
  text "60" at 52.832,43.688 h0.76
  text "P00" at 47.752,41.529 h0.76
  text "PGAGND" at 4.445,38.862 h0.76
  text "P01" at 47.752,38.862 h0.76
  text "P27" at 55.88,38.862 h0.76
  text "P28" at 4.445,36.322 h0.76
  text "AA6" at 12.7,36.322 h0.76
  text "P06" at 47.625,36.322 h0.76
  text "NC" at 55.118,36.322 h0.76
  text "P29" at 4.445,33.782 h0.76
  text "AB6" at 12.7,33.782 h0.76
  text "NC" at 55.118,33.782 h0.76
  text "P07" at 47.752,33.655 h0.76
  text "AB4/G4O" at 4.572,31.496 h0.64
  text "AC14" at 13.335,31.242 h0.76
  text "P02" at 47.752,31.242 h0.76
  text "XRSn" at 56.642,31.242 h0.76
  text "AA4/G2O" at 4.572,28.829 h0.64
  text "AC1" at 12.446,28.702 h0.76
  text "P03" at 47.752,28.702 h0.76
  text "P24" at 55.88,28.702 h0.76
  text "AC3/G4I" at 14.605,26.289 h0.64
  text "P22" at 4.572,26.162 h0.76
  text "P26" at 47.752,26.162 h0.76
  text "P31" at 55.88,26.162 h0.76
  text "AA8/G6O" at 4.572,23.749 h0.64
  text "P15" at 47.752,23.622 h0.76
  text "P33" at 55.88,23.622 h0.76
  text "AC5/G6I" at 14.605,22.733 h0.64
  text "AA3/G2I" at 14.605,21.209 h0.64
  text "NC" at 4.572,21.082 h0.76
  text "P14" at 47.752,21.082 h0.76
  text "P34" at 55.88,21.082 h0.76
  text "NC" at 4.572,18.542 h0.76
  text "P32" at 47.752,18.542 h0.76
  text "P12" at 55.88,18.542 h0.76
  text "AA0/DACA" at 16.51,17.272 h0.76
  text "71" at 50.038,16.51 h0.76
  text "51" at 52.578,16.51 h0.76
  text "50" at 6.858,16.256 h0.76
  text "70" at 9.398,16.256 h0.76
M1 Board Outline:
  lines w0.254: 58.403,17.675 cw(c50.7,17.675) 50.7,9.972 7.675,10.099 cw(c7.675,17.802) -0.028,17.802 -0.028,124.5 cw(c-0.028,126.472) -2,126.472 -2,126.5 -2,142.24 -2,152.444 cw(c1.766,152.444) 1.766,156.21 7.112,156.21 9.33,156.21 13.14,156.21 15.494,156.21 52.042,156.21 cw(c52.042,149.832) 58.42,149.832 58.42,116.84 cw(c53.806,116.84) 57.658,114.3 ccw(c61.51,111.76) 57.658,109.22 cw(c53.806,106.68) 58.42,106.68 58.42,17.675
M2 Board Dimensions:
  text "Radius 50 mil, 4 corners" at 61.112,-5.131 h2.54
M17 Embedded Cavity:
  text ".Layer_Name" at 14.656,-21.806 h1.52
M18 Embedded Assembly:
  text ".Layer_Name" at 14.656,-21.806 h1.52
M19 Embedded Keepout:
  text ".Layer_Name" at 14.656,-21.806 h1.52

## Dimensions
0,0 to 58.42,0 on M2 Board Dimensions
0,0 to 0,156.21 on M2 Board Dimensions

## Text inside footprints (layer, text, board x,y; h text height)
J1: Top Overlay "J3" at 10.12,107.188 h1.02; Top Overlay "10" at 5.791,80.01 h0.76; Top Overlay "1" at 6.223,107.188 h0.76; Top Overlay "30" at 8.255,80.01 h0.76; Top Overlay "21" at 8.382,107.188 h0.76
J2: Top Overlay "J4" at 46.508,107.188 h1.02; Top Overlay "20" at 51.435,107.188 h0.76; Top Overlay "11" at 51.638,80.01 h0.76; Top Overlay "31" at 49.022,80.01 h0.76; Top Overlay "40" at 48.895,107.188 h0.76
J3: M14 Component Bodies Bottom "PCB EDGE" at 13.875,156.7 h1.02 r180
J5: Top Overlay "J7" at 10.12,43.688 h1.02; Top Overlay "41" at 5.715,43.688 h0.76; Top Overlay "61" at 8.382,43.688 h0.76; Top Overlay "50" at 5.791,16.51 h0.76; Top Overlay "70" at 8.255,16.51 h0.76
J6: Top Overlay "60" at 51.435,43.688 h0.76; Top Overlay "80" at 48.895,43.688 h0.76; Top Overlay "J8" at 46.508,43.688 h1.02; Top Overlay "51" at 51.638,16.51 h0.76; Top Overlay "71" at 49.022,16.51 h0.76
S2: M5 Assembly Top "1" at 32.442,45.834 h1 r180